# KiCad board amix 68k(r1).kicad_pcb (continued)
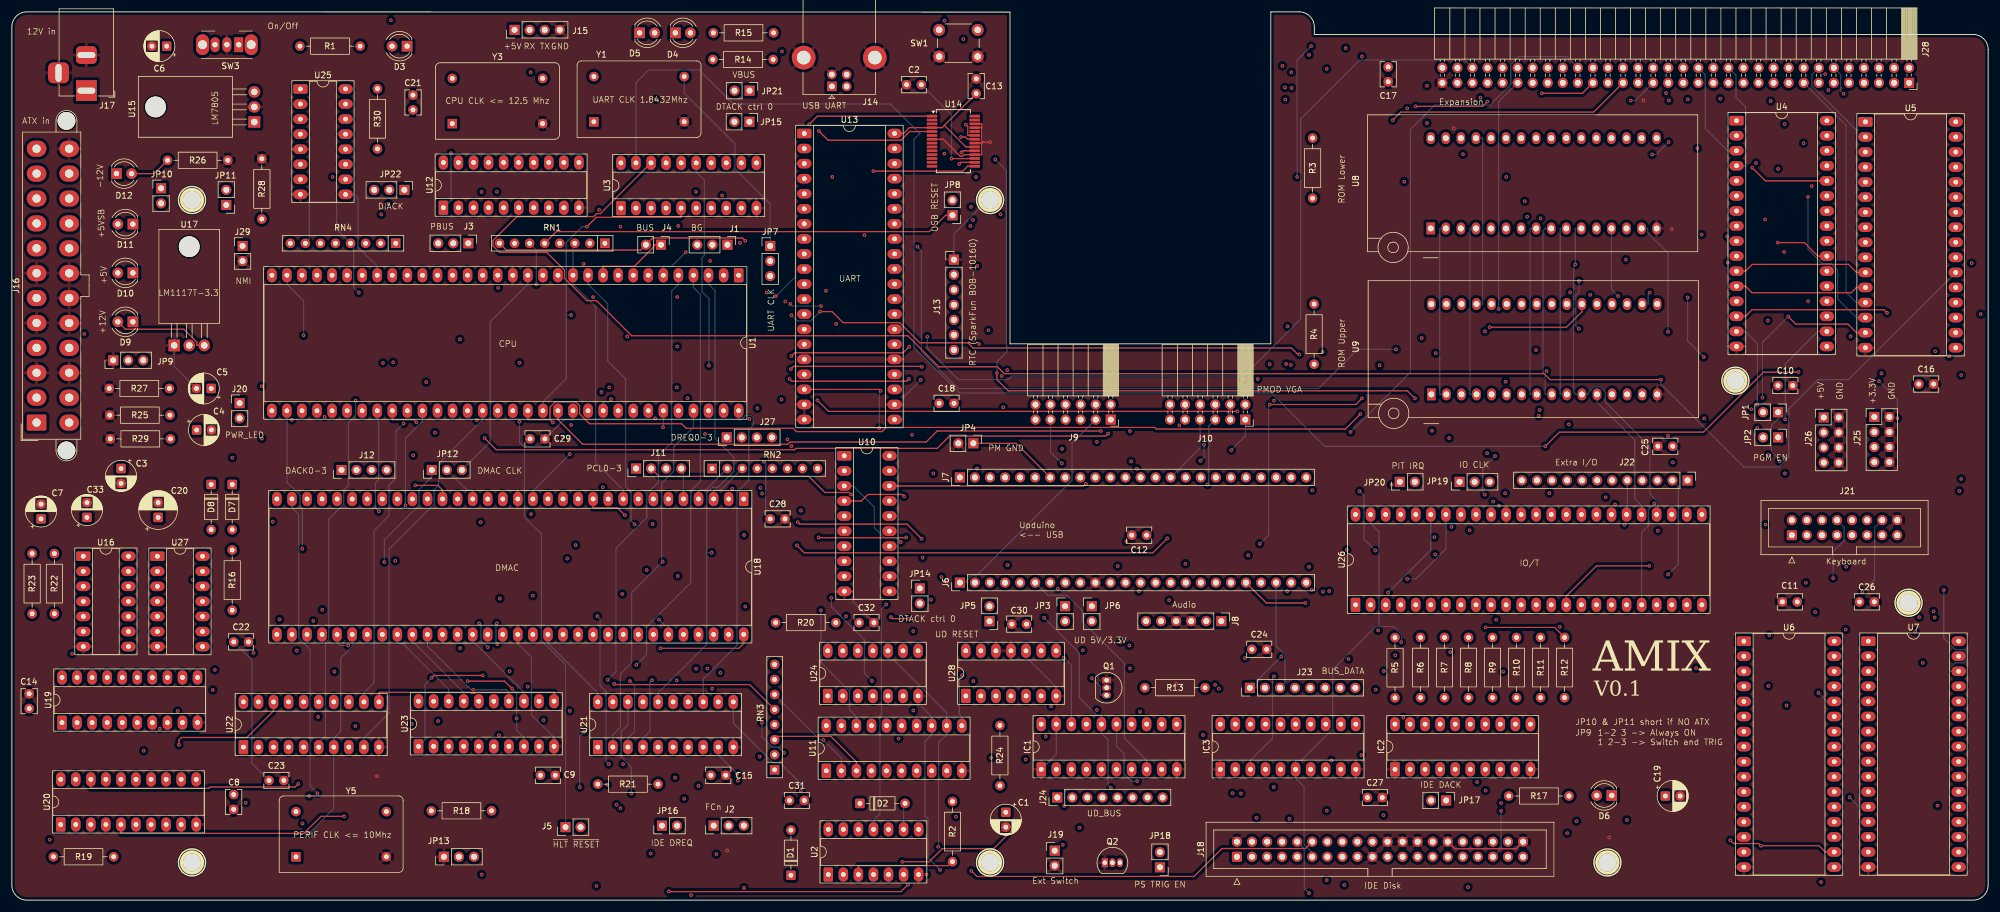
[diagram p0: board, top side]
## Routing (per net, layer and track width the routed paths; a pad name or vN(x,y) marks a point on that pad's centre or on a via; arc(x,y) is an arc through that point) (continued)
GND: length 1882.1
  Top w0.2: 163.59,127.72 163.6,127.72 163.6,130.32 ; 163.59,127.72 U14.21 ; 163.59,127.72 163.6,127.72 ; 163.6,127.72 163.77,127.89 v1(165.01,127.89) ; 163.6,127.72 163.6,125.77 U14.18 160.66,125.77 160.43,125.54 159.93,125.54 157.11,128.37 U14.7 ; 163.6,130.32 163.6,130.97 U14.26 ; 163.6,130.32 163.6,130.32 ; 163.6,130.32 163.6,130.32 ; J18.30 243.41,8.67 253.73,8.67 J18.40 ; 163.6,130.32 U14.25
  In1.Cu w0.2: U8.16 276.94,113.32 275.98,114.28 275.98,134.15 v1(275.22,134.9) ; C33.2 12.55,67.07 10.99,65.52 10.99,59.97 10.09,59.07 10.09,42.78 ; U25.5 48.67,126.35 50.17,124.85 50.17,119.07 U25.8 ; 41.49,132.57 42.26,133.34 42.26,136.87 36.36,142.77 36.27,142.77 SW3.2 ; 41.49,132.57 40.9,132.57 U15.2 ; 41.49,132.57 42,132.57 42.26,132.3 42.26,125.16 R28.2 40.12,123.02 40.12,109.02 J29.2 ; J18.40 256.17,11.11 IC2.10 256.17,23.57 255.03,24.71 255.03,30.72 255.93,31.63 256.98,31.63 259.03,33.67 259.03,34.68 255.92,37.8 255.92,59.7 252.06,63.56 U26.38 ; v1(120.67,8.39) 119.77,9.29 119.77,20.42 C15.2 120.42,23.04 121.7,24.32 U21.10 ; Q1.1 184.67,51.68 J6.10 188.92,59.71 C12.2 ; U13.25 150.41,91.24 150.41,90.89 150.38,90.86 150.03,90.51 150.03,90.36 149.47,89.8 148.05,89.8 147.41,89.16 147.41,85.7 148.05,85.06 149.47,85.06 150.41,84.12 150.41,83.62 U13.22 ; J13.1 158.92,106.91 159.21,106.91 160.89,105.23 160.89,85.79 C18.2 159.65,83.08 JP4.2 ; IC3.1 203.85,12.67 J18.2 ; U5.16 314.17,93.2 314.17,84.06 J25.2 ; IC1.19 176.18,32.93 176.16,32.95 U28.7 ; IC1.10 196.5,23.57 195.38,24.69 195.38,35.46 v1(196.4,36.48) J8.4 ; 61.92,20.93 U22.10 ; 61.92,20.93 v1(61.59,20.93) ; 61.92,20.93 61.92,8.57 Y5.7 ; HOLE5.1 165.01,9.66 C1.2 160.25,19.74 U11.10 ; C25.2 277.55,76.69 U9.16 278.57,85.33 280.01,86.77 v1(280.01,113.22) ; 10.09,42.78 2.92,35.61 C14.2 ; 10.09,42.78 U16.7 ; U28.11 168.54,46.44 C30.2 ; HOLE6.1 269.44,6.65 v1(269.44,10.58) ; 9.67,106.53 J16.19 ; 9.67,106.53 9.67,107.42 9.79,107.42 11.63,109.26 11.63,123.26 9.77,125.12 ; 9.67,106.53 J16.19 ; J16.19 J16.18 J16.17 9.67,95.72 9.55,95.72 7.68,93.85 7.68,92.51 9.57,90.62 9.67,90.62 J16.15 ; C16.2 319,81.9 317.82,81.9 317.45,81.52 J25.2 ; C29.2 85.35,73.25 U18.16 U18.49 ; U1.16 84.5,103.93 87.56,103.93 88.44,104.81 88.44,106.59 91.16,109.31 91.16,112.91 94.21,115.96 94.21,116.88 95.65,118.32 ; C11.2 298.67,10.58 293.67,5.58 U6.16 290.67,5.58 281.42,14.83 C19.2 ; 232.06,17.32 232.06,20.82 IC2.1 ; 232.06,17.32 C27.2 ; 232.06,17.32 J18.22 J18.19 ; J16.24 9.67,125.12 9.77,125.12 ; 9.77,125.12 14.65,130 14.65,140.49 J17.2 9.57,139.57 J17.3 ; C10.2 302.79,86.82 J26.2 J26.4 J26.6 J26.8 ; C23.2 41.01,15.32 C8.2 ; J25.2 J25.4 J25.6 J25.8 316.71,65.44 J21.16 319.95,62.2 HOLE7.1 ; R26.2 36.42,124.15 HOLE1.1 ; C4.2 31.13,81.86 C5.2 ; HOLE2.1 v1(165.01,127.89) 165.01,136.23 C13.2 162.92,138.82 SW1.2 ; HOLE3.1 290.74,91.64 289.43,92.95 289.43,93.41 U4.16 ; U10.10 138.92,52.1 138.92,50.48 136.73,48.29 136.23,48.29 130.42,54.1 C28.2 132.17,66.07 132.17,81.08 U13.20 135.17,81.08 135.17,83.62 U13.19 ; U27.7 26.05,42.78 27.66,41.17 27.66,35.11 31.32,31.45 U19.10 31.32,28.45 29.99,27.12 29.99,15.37 31.1,14.26 U20.10 31.1,7.07 HOLE4.1 ; v1(243.23,130.21) 241.3,132.14 J28.63 ; U23.10 91.46,21.28 C9.2 ; J15.4 92.42,133.89 Y3.7 94.26,126.29 94.26,119.71 95.65,118.32 ; 95.65,118.32 U12.10 ; J14.4 136.43,139.28 J14.5 ; JP9.1 17.09,86.99 R27.2 16.51,86.23 R25.2 16.51,77.9 R29.2 19.53,74.88 19.53,71.43 C3.2
  In2.Cu w0.2: 109.22,114.84 110.42,114.84 111.63,116.05 111.63,117.49 112.4,118.26 125.6,118.26 U3.10 ; 109.22,114.84 109.05,114.67 ; 109.22,114.84 109.05,114.67 ; J18.40 255.64,10.58 v1(269.44,10.58) ; C31.2 131.18,19.31 122.18,19.31 C15.2 ; U12.10 95.65,115.32 96.53,114.44 108.82,114.44 109.05,114.67 ; 166,43.57 168.54,43.57 U28.11 ; 166,43.57 U28.12 ; 166,43.57 164.79,44.78 147.46,44.78 C32.2 ; 279.91,113.32 v1(280.01,113.22) ; 279.91,113.32 v1(280.01,113.22) ; 279.91,113.32 v1(280.01,113.22) ; 279.91,113.32 U8.16 ; 314.17,50.17 C26.2 ; 314.17,50.17 313.2,49.2 299.79,49.2 C11.2 ; 314.17,50.17 HOLE7.1 ; J14.4 141.18,142.14 J14.5 156.24,142.14 SW1.2 SW1.2 ; 226.71,23.57 231.81,23.57 IC2.1 ; 226.71,23.57 IC3.10 ; 226.71,23.57 226.1,24.18 205.96,24.18 IC3.1 202.35,23.57 196.5,23.57 IC1.10 ; U2.7 152.96,5.82 151.66,7.13 118.64,7.13 118.24,7.53 118.24,8.04 118.58,8.39 v1(120.67,8.39) 162.98,8.39 HOLE5.1 165.55,5.82 J19.2 183.05,5.82 183.55,6.32 Q2.1 ; J16.3 J16.15 13.84,88.97 15.94,91.07 JP9.1 ; C8.2 32.16,15.32 31.1,14.26 U20.10 ; v1(275.22,134.9) 274.06,134.9 273.21,134.05 266.63,134.05 266.26,133.68 246.71,133.68 v1(243.23,130.21) ; IC1.1 163.75,22.07 162.5,23.32 160.25,23.32 U11.10 ; U21.10 121.7,24.32 118.4,24.32 115.76,21.68 92.28,21.68 C9.2 90.55,22.18 83.35,22.18 82.1,20.93 v1(61.59,20.93) 46.62,20.93 C23.2 ; 172.52,33.59 173.16,32.95 174.7,32.95 175.06,33.3 175.56,33.3 175.91,32.95 176.16,32.95 U28.7 ; 172.52,33.59 172.52,35.31 173.66,36.45 182.96,36.45 183.62,37.11 Q1.1 195.77,37.11 v1(196.4,36.48) ; 172.52,33.59 171.78,32.85 152.96,32.85 152.87,32.95 U24.7 ; J16.7 J16.19 ; J26.6 309.29,75.24 315.51,75.24 J25.6 ; U16.7 13.55,42.78 14.66,43.89 21.94,43.89 23.05,42.78 U27.7 26.05,42.78 27.19,41.64 37.99,41.64 C22.2 ; SW3.2 36.27,142.77 35.74,142.24 25.45,142.24 C6.2 22.13,142.57 J17.2 ; R27.2 17.53,85.21 30.02,85.21 C5.2 ; C10.2 299.25,87.99 291.09,87.99 HOLE3.1 280.88,87.64 278.57,85.33 U9.16 ; C17.2 241.12,138.07 J28.63 ; U7.16 311.66,5.59 310.51,4.45 294.81,4.45 293.67,5.58 U6.16 290.67,5.58 289.89,6.36 HOLE6.1 ; Y5.7 JP13.1 ; C18.2 157.77,82.67 151.37,82.67 150.41,83.62 U13.22 U13.19 ; 18.42,67.07 C3.2 ; J18.30 241.02,11.06 238.34,11.06 J18.26 J18.24 J18.22 ; C7.2 5.17,67.07 C33.2 C20.2 ; U25.5 43.79,126.69 R28.2 36.67,125.07 R26.2 ; C24.2 210.24,43.75 202.26,43.75 J8.3 J8.4 ; Y1.7 112.3,130.2 90.34,130.2 Y3.7 84.73,135.82 C21.2 67.57,135.72 42.8,135.72 42.15,135.07 40.9,135.07 U15.2 ; C2.1 152.02,138.67 162.57,138.67 C13.2 ; J16.5 J16.17
  Bottom w0.2: IC1.19 176.18,24.61 IC1.1 ; U18.49 85.35,43.32 87.65,41.02 87.65,31.25 91.46,27.44 U23.10 ; U17.1 27.38,90.06 C5.2 ; HOLE2.1 164.62,118.12 158.92,112.41 J13.1 ; C32.2 141.92,50.32 141.92,52.1 U10.10 ; U28.11 168.54,40.57 171.54,40.57 176.16,35.95 U28.7 ; C29.2 93.17,81.07 94.66,81.07 U1.53
/UART + RTC + IDE/~{IDE_LED}: length 19.8
  In1.Cu w0.2: J18.39 259.25,7.32 268.68,16.76 268.68,17.66 D6.1
A0: length 62
  In1.Cu w0.2: U10.15 150.69,62.26 155.06,57.89 v1(155.06,50.69) ; v1(177.45,40.9) 177.45,43.71 176.43,44.73 v1(176.43,52.54)
  In2.Cu w0.2: v1(155.06,50.69) 156.48,52.12 175.54,52.12 175.96,52.54 v1(176.43,52.54)
  Bottom w0.2: v1(177.45,40.9) 178.72,39.63 IC1.18
A1: length 616.6
  Top w0.2: U5.12 311.17,103.36 310.28,102.47 293.53,102.47 292.43,103.57 U4.12
  In1.Cu w0.2: U26.29 274.92,56.84 276.19,55.57 276.19,30.22 290.67,15.74 U6.12 ; 266.88,85.33 266.37,85.33 266.37,102.02 v1(266.27,102.12) 267.29,103.14 U8.12 ; 266.88,85.33 U9.12 266.88,85.33 ; v1(136.5,100.22) 138.12,98.6 138.12,67.54 140.85,64.8 ; J28.2 318.77,139.15 318.77,107.96 314.17,103.36 U5.12 ; 140.85,64.8 141.82,64.8 141.92,64.7 141.92,49.08 v1(140.73,47.88) ; 140.85,64.8 U10.5 ; v1(180.66,42.15) 180.66,31.79 181.26,31.19 IC1.17 181.26,28.19 177.52,24.45 v1(177.52,15.9)
  In2.Cu w0.2: U7.12 310.75,15.75 309.6,16.9 294.83,16.9 293.67,15.74 U6.12 290.67,15.74 289.99,15.06 v1(251.22,15.06) 222.69,15.06 221.84,15.9 v1(177.52,15.9) ; 136.89,47.89 136.89,47.3 140.22,43.97 156.21,43.97 159.89,40.3 177.7,40.3 179.55,42.15 v1(180.66,42.15) ; 136.89,47.89 137.15,48.14 137.63,48.14 137.69,48.08 140.53,48.08 v1(140.73,47.88) ; 136.89,47.89 131.02,47.89 130.48,48.43 127.77,48.43 127.37,48.02 107.37,48.02 105.67,46.32 U18.57 ; U1.29 51.48,103.93 55.02,100.39 131.11,100.39 v1(131.31,100.59) ; v1(136.5,100.22) 146.05,100.22 147.41,98.86 U13.28 ; U4.12 289.43,103.57 289.09,103.9 268.05,103.9 v1(266.27,102.12)
  Bottom w0.2: U9.12 267.39,84.03 273.77,77.65 273.77,67.71 274.92,66.56 U26.29 ; v1(131.31,100.59) 131.68,100.22 v1(136.5,100.22) ; v1(251.22,15.06) 251.22,8.7 J18.35
A2: length 614.4
  Top w0.2: U5.11 311.17,105.9 309.81,107.26 293.58,107.26 292.43,106.11 U4.11 ; v1(148.3,47.74) 148.56,47.49 v1(151.26,47.49)
  In1.Cu w0.2: 145.57,65.71 145.33,65.94 145.33,66.27 144.93,66.68 144.93,93.84 147.41,96.32 U13.27 ; 145.57,65.71 145.73,65.54 ; 145.57,65.71 145.73,65.54 ; 145.73,65.54 145.73,50.63 146.49,49.87 146.49,49.47 147.08,48.89 147.16,48.89 v1(148.3,47.74) ; v1(251.23,16.37) 250.61,15.75 250.61,14.81 251,14.42 251,6.82 250.35,6.16 248.45,6.16 J18.33 ; U6.11 290.67,18.28 278.78,30.16 278.78,62.23 277.46,63.56 U26.28 ; J28.4 316.28,139.2 316.28,108.01 314.17,105.9 U5.11
  In2.Cu w0.2: 205.49,19.09 205.72,19.32 207.02,19.32 207.91,18.44 242.49,18.44 244.57,16.37 v1(251.23,16.37) 251.6,15.99 288.38,15.99 290.67,18.28 U6.11 293.67,18.28 294.78,19.39 310.52,19.39 311.63,18.29 U7.11 ; 205.49,19.09 205.32,18.92 ; 205.49,19.09 205.32,18.92 ; v1(174.14,47.65) 174.11,47.67 168.21,47.67 166.43,45.89 152.85,45.89 v1(151.26,47.49) ; v1(148.3,47.74) 148.1,47.94 141.78,47.94 141.24,48.48 137.85,48.48 137.59,48.74 137.18,48.74 137.18,48.74 136.73,48.29 136.23,48.29 135.69,48.83 127.61,48.83 127.21,48.43 105.99,48.43 103.13,45.57 U18.56 ; v1(263.73,107.25) 288.29,107.25 289.43,106.11 U4.11 ; 205.32,18.92 185.4,18.92 v1(185.4,18.92) ; U1.30 48.94,103.93 52.89,99.98 134.78,99.98 138.44,96.32 U13.27
  Bottom w0.2: v1(174.14,47.65) 180.06,41.72 180.06,34.18 183.05,31.19 183.8,31.19 IC1.16 183.8,28.19 184.9,27.09 184.9,19.42 v1(185.4,18.92) ; U26.28 277.69,65.29 277.69,67.17 276.31,68.54 276.31,76.54 268.81,84.03 268.81,85.7 267.89,86.63 266.91,86.63 265.87,85.59 265.87,85.33 264.34,85.33 ; U8.11 263.73,113.32 263.73,107.25 v1(263.73,107.25) 263.47,106.99 263.47,102.29 263.43,102.24 263.43,85.73 263.83,85.33 264.34,85.33 ; 264.34,85.33 U9.11
A3: length 634.8
  In1.Cu w0.2: v1(187.02,43.55) 187.02,31.87 186.34,31.19 IC1.15 ; U18.55 100.59,46.32 101.88,47.61 101.88,78.63 103.46,80.21 103.46,94.74 v1(103.82,95.1) ; J28.6 313.79,139.26 313.79,134.32 315.03,133.09 315.03,110.58 312.88,108.44 U5.10 ; v1(289.36,111.97) 283.99,106.61 283.99,70.02 280.54,66.56 280,66.56 U26.27 280,63.56 281.27,62.29 281.27,30.22 290.67,20.82 U6.10 ; v1(152.05,45.38) 148.14,49.29 147.24,49.29 146.89,49.64 146.89,50.04 146.13,50.79 146.13,65.71 145.73,66.11 145.73,66.44 145.33,66.84 145.33,91.7 147.41,93.78 U13.26 ; J18.36 249.84,17.25 v1(248.6,18.49)
  In2.Cu w0.2: v1(187.02,43.55) 185.19,45.38 v1(152.05,45.38) ; U8.10 263.23,113.32 263.23,113.06 264.61,111.68 289.07,111.68 v1(289.36,111.97) ; U5.10 311.17,108.44 310.27,107.54 293.54,107.54 292.43,108.65 U4.10 ; U7.10 311.66,20.83 310.56,21.92 294.78,21.92 293.67,20.82 U6.10 290.67,20.82 289.06,19.21 249.32,19.21 v1(248.6,18.49) 248.2,18.89 214.5,18.89 213.26,20.13 205.39,20.13 205.33,20.06 v1(189.83,20.06) ; U13.26 147.41,93.78 146.09,95.1 v1(103.82,95.1) 103.65,95.28 v1(49.21,95.28)
  Bottom w0.2: v1(289.36,111.97) 289.43,111.91 289.43,108.65 U4.10 ; IC1.15 186.34,26 187.61,24.73 187.61,21.33 188.87,20.06 v1(189.83,20.06) ; v1(49.21,95.28) 49.21,101.12 46.4,103.93 U1.31 ; U8.10 261.19,113.32 261.19,85.43 261.29,85.33 U9.10
A4: length 561
  In1.Cu w0.2: U4.9 289.43,111.19 284.4,106.16 284.4,68.98 282.54,67.13 U26.26 282.54,63.56 283.81,62.29 283.81,39.43 v1(284.1,39.13) 284.1,29.93 290.67,23.36 U6.9 ; IC1.14 188.88,38.84 v1(188.62,39.1) 188.62,42.85 v1(188.51,42.96) ; v1(45.15,47.36) 42.78,49.74 42.78,78.12 42.75,78.15 42.75,102.82 43.86,103.93 U1.32 ; U5.9 314.17,110.98 314.22,111.03 314.22,132.56 311.25,135.52 311.25,139.25 J28.8
  In2.Cu w0.2: 179.62,40.96 179.78,41.12 ; 179.62,40.96 179.78,41.12 ; 179.62,40.96 179.38,40.72 178.69,40.72 177.86,39.89 159.53,39.89 155.85,43.57 134.54,43.57 130.19,47.92 128.04,47.92 127.43,47.31 111.25,47.31 109.48,45.54 109.48,44.11 108.69,43.32 98.05,43.32 ; 179.78,41.12 186.68,41.12 v1(188.51,42.96) ; v1(45.15,47.36) 50.25,47.36 50.61,47.72 94.57,47.72 96.61,45.68 96.61,44.26 97.55,43.32 98.05,43.32 ; U6.9 304.49,23.36 305.6,24.46 308.59,24.46 309.68,23.37 U7.9 ; v1(188.62,39.1) 188.67,39.04 208.76,39.04 208.96,39.25 212.73,39.25 213.09,38.9 220.91,38.9 221.26,39.25 283.98,39.25 v1(284.1,39.13) ; U8.9 260.69,113.32 260.69,113.06 262.56,111.19 U4.9 292.43,111.19 293.57,110.05 310.24,110.05 311.17,110.98 U5.9 ; U18.54 98.05,43.32
  Bottom w0.2: U8.9 258.65,113.32 258.28,112.95 258.28,89 258.65,88.64 258.65,85.43 258.75,85.33 U9.9
A5: length 514.7
  In1.Cu w0.2: v1(95.1,59.9) 95.51,59.49 U18.53 ; J28.10 308.69,139.23 308.69,136.59 308.39,136.3 308.39,133.84 310.3,131.93 310.3,114.39 311.17,113.52 U5.8 ; U4.8 292.43,113.73 293.1,113.06 293.1,86.67 287.69,81.26 v1(285.47,81.26) 285.47,66.96 285.08,66.56 U26.25 285.08,63.56 286.8,61.84 286.8,29.77 290.67,25.9 U6.8 ; 256.72,85.33 U9.8 256.72,85.33 ; 256.72,85.33 256.21,85.33 256.01,85.13 256.01,64.48 255.08,63.55 254.14,63.55 253.29,64.4 253.29,67.24 v1(251.89,68.64) ; v1(44.01,63.85) 43.58,64.28 43.58,80.79 43.86,81.07 U1.33
  In2.Cu w0.2: U9.8 256.21,85.33 256.21,84.62 256.43,84.39 256.52,84.39 256.59,84.47 256.93,84.47 257.28,84.12 257.36,84.12 259.8,81.68 285.06,81.68 v1(285.47,81.26) ; U5.8 311.17,113.52 310.22,112.57 293.59,112.57 292.43,113.73 U4.8 ; U6.8 293.67,25.9 294.82,27.05 308.79,27.05 309.94,25.91 U7.8 ; 187.29,63.53 138.24,63.53 136.5,61.79 125.86,61.79 125.63,61.56 ; 187.29,63.53 187.45,63.7 ; 187.29,63.53 187.45,63.7 ; 106.87,60.07 106.7,59.9 ; 106.87,60.07 106.7,59.9 ; 106.87,60.07 107.79,60.99 125.06,60.99 125.46,61.39 ; 106.7,59.9 v1(95.1,59.9) 47.96,59.9 v1(44.01,63.85) ; 187.45,63.7 222.56,63.7 226.68,67.82 248.72,67.82 249.54,68.64 v1(251.89,68.64) ; 125.63,61.56 125.46,61.39 ; 125.63,61.56 125.46,61.39
  Bottom w0.2: 256.72,85.33 U9.8 256.72,85.33 ; 256.72,85.33 256.21,85.33 256.11,85.43 256.11,113.32 U8.8
A6: length 497.5
  Top w0.2: v1(136.09,61.19) 136.15,61.14 150.81,61.14 v1(150.86,61.19)
  In1.Cu w0.2: v1(249.88,67.24) 250.22,67.58 250.22,67.88 253.29,70.95 253.29,82.35 253.68,82.74 253.68,85.33 ; v1(93.69,57.63) 93.69,47.04 92.97,46.32 U18.52 ; 254.19,85.33 U9.7 254.19,85.33 ; 254.19,85.33 253.68,85.33 ; U5.7 311.17,116.06 310.79,116.44 310.79,134.25 v1(308.99,136.05) ; U6.7 290.67,28.44 289.36,29.75 289.36,82.32 293.5,86.46 293.5,113.41 292.43,114.47 292.43,116.27 U4.7 ; 253.68,85.33 253.67,85.33 253.57,85.42 253.57,113.26 253.57,113.26 253.57,113.32 U8.7
  In2.Cu w0.2: U6.7 293.67,28.44 294.78,29.55 309.77,29.55 310.88,28.45 U7.7 ; v1(49,59.27) 92.05,59.27 v1(93.69,57.63) 105.21,57.63 108.02,60.45 135.35,60.45 v1(136.09,61.19) ; v1(150.86,61.19) 152.4,62.73 228.99,62.73 230.38,64.12 230.38,65.77 231.62,67.01 249.65,67.01 v1(249.88,67.24) ; U8.7 255.61,113.32 255.61,113.62 258.26,116.27 U4.7 292.43,116.27 293.26,115.44 296,115.44 296.31,115.13 310.24,115.13 311.17,116.06 U5.7
  Bottom w0.2: v1(308.99,136.05) 308.5,136.55 308.5,139.27 J28.12 ; U1.34 46.4,70.49 48.62,68.27 48.62,66.38 49,66 v1(49,59.27)
A7: length 546
  In1.Cu w0.2: v1(190.3,31.78) 189.97,32.11 189.97,51.97 v1(190.12,52.12) ; U6.6 290.67,30.98 289.77,31.88 289.77,81.92 293.9,86.04 293.9,113.57 293.54,113.93 293.54,114.07 293.5,114.12 293.5,115.77 292.43,116.84 292.43,118.81 U4.6 ; U18.50 87.89,46.32 87.88,46.33 v1(87.88,51.37) ; U9.6 253.17,85.33 253.17,112.2 253.07,112.3 253.07,113.32 U8.6 ; v1(50.86,47.12) 49.6,48.38 49.6,65.91 48.69,66.82 48.69,80.82 48.94,81.07 U1.35
  In2.Cu w0.2: U8.6 253.07,113.32 253.07,113.62 258.26,118.81 U4.6 292.43,118.81 293.57,117.67 310.24,117.67 311.17,118.6 U5.6 ; v1(50.86,47.12) 51.66,46.32 78.35,46.32 78.58,46.1 79.08,46.1 79.3,46.32 81.33,46.32 81.56,46.1 82.05,46.1 82.28,46.32 87.89,46.32 U18.50 ; v1(87.88,51.37) 88.86,50.39 137.88,50.39 138.58,49.69 145.92,49.69 146.46,49.14 150.52,49.14 150.76,48.9 153.68,48.9 154.87,50.09 155.44,50.09 157.06,51.72 175.91,51.72 176.14,51.95 ; 176.14,51.95 176.15,51.96 ; 176.14,51.95 176.15,51.96 ; 176.15,51.96 176.18,51.94 189.94,51.94 v1(190.12,52.12) ; U7.6 311.66,30.99 310.56,32.09 294.78,32.09 293.67,30.98 U6.6 290.67,30.98 289.87,31.78 v1(190.3,31.78)
  Bottom w0.2: J28.14 303.65,139.27 303.65,137.41 311.17,129.89 311.17,118.6 U5.6
A8: length 510.5
  In1.Cu w0.2: U4.5 292.43,121.35 292.43,119.85 293.9,118.38 293.9,115.94 293.9,115.94 293.9,114.28 293.95,114.24 293.95,114.09 294.3,113.74 294.3,85.88 293.5,85.07 293.5,84.84 290.17,81.51 290.17,35.99 290.57,35.59 290.57,33.61 290.67,33.52 U6.5 ; U1.36 51.48,84.07 54.49,84.07 55.17,83.39 ; v1(62.6,90.64) 55.36,83.39 55.17,83.39 ; 55.17,83.39 55.17,74.83 54.41,74.06 54.41,71.03 56.14,69.3 56.14,64.59 66.36,54.37 66.36,25.85 67.78,24.43 71.13,24.43 71.14,24.44 U23.2 ; U8.5 248.49,113.32 v1(248.49,95.95) 248.49,87.75 249.61,86.63 U9.5 ; J28.16 303.46,139.23 303.46,137.19 301.64,135.37 301.64,122.42 v1(303.61,120.45)
  In2.Cu w0.2: v1(62.6,90.64) 64.62,92.65 149.75,92.65 151.07,93.97 161.01,93.97 163.55,91.44 169.25,91.44 169.25,91.45 172.67,91.45 172.67,91.44 203.31,91.44 203.58,91.71 211.17,91.71 211.32,91.87 214.65,91.87 218.01,95.23 218.08,95.23 218.8,95.95 v1(248.49,95.95) ; U7.5 311.66,33.53 310.56,34.63 305.26,34.63 304.15,33.52 U6.5 ; U8.5 250.53,113.32 250.53,114.09 257.79,121.35 U4.5 292.43,121.35 293.33,120.45 v1(303.61,120.45) 303.87,120.19 310.22,120.19 311.17,121.14 U5.5
A9: length 548.6
  In1.Cu w0.2: U4.27 304.39,118.81 300.99,122.21 300.99,139.15 J28.18 ; 331.82,110.75 331.71,110.86 ; 331.82,110.75 332.16,110.41 332.16,106.72 331.52,106.07 331.52,98.46 331.96,98.02 331.96,88.61 331.96,88.61 331.96,88.59 330.92,87.55 330.92,72.84 331.65,72.1 331.65,47.91 330.92,47.17 330.92,32.01 329.9,30.99 U7.27 ; 331.82,110.75 331.71,110.86 ; 331.71,110.86 331.71,116.3 329.41,118.6 U5.27 ; v1(251.98,87.47) 251.98,99.1 252.15,99.27 U9.27 251.17,100.57 251.13,100.61 251.13,101.59 251.03,101.69 251.03,117.91 ; v1(57.95,29.37) 57.95,38.69 53.76,42.88 53.76,80.81 54.02,81.07 U1.37 ; 251.03,117.91 v1(255.2,117.91) ; 251.03,117.91 251.03,128.56 U8.27
  In2.Cu w0.2: 114.19,78.26 114.21,78.27 ; 114.19,78.26 113.8,78.65 92.35,78.65 90.83,80.17 86.24,80.17 86.21,80.13 85.77,80.13 85.54,79.89 ; 114.19,78.26 114.21,78.27 ; 114.21,78.27 115.96,80.02 132.2,80.02 132.88,79.35 145.8,79.35 146.09,79.06 150.13,79.06 150.42,79.35 ; 224.57,86.52 224.65,86.6 ; 224.57,86.52 224.65,86.6 ; 224.57,86.52 224.53,86.56 224.53,86.56 224.25,86.83 213.04,86.83 ; 224.65,86.6 225.07,86.6 225.9,87.44 ; 79.66,79.71 79.83,79.88 ; 79.66,79.71 79.83,79.88 ; 79.66,79.71 79.49,79.54 55.55,79.54 54.02,81.07 U1.37 ; 79.83,79.88 79.83,79.88 85.52,79.88 ; 85.54,79.89 85.52,79.88 ; 85.54,79.89 85.52,79.88 ; 184.68,86.93 184.68,86.93 ; 184.68,86.93 171.93,86.93 165.6,80.6 151.67,80.6 150.58,79.51 ; 184.68,86.93 184.68,86.93 ; 184.68,86.93 184.95,86.66 212.87,86.66 ; U5.27 326.41,118.6 325.27,119.74 308.6,119.74 307.67,118.81 U4.27 304.67,118.81 304.21,119.27 292.54,119.27 291.89,119.92 257.22,119.92 v1(255.2,117.91) ; 150.42,79.35 150.58,79.51 ; 150.42,79.35 150.58,79.51 ; 225.93,87.47 v1(251.98,87.47) ; 225.93,87.47 225.9,87.44 ; 225.93,87.47 225.9,87.44 ; 212.87,86.66 213.04,86.83 ; 212.87,86.66 213.04,86.83 ; U6.27 308.94,30.98 310.05,29.88 325.79,29.88 326.9,30.99 U7.27 ; v1(57.95,29.37) 58.77,28.54 77.66,28.54 78.76,27.44 U23.5
A10: length 560.1
  Top w0.2: v1(194.91,61.04) 192.47,58.59 133.69,58.59 v1(132.44,59.84)
  In1.Cu w0.2: v1(67.46,29.74) 67.46,36.25 68.7,37.49 68.7,52.8 64.75,56.75 ; v1(239.97,61.22) 240.47,61.73 240.47,91.99 v1(240.18,92.28) ; U8.26 255.61,128.56 255.8,128.37 255.8,115.49 v1(255.61,115.3) 255.61,101.37 255.71,101.27 255.71,100.57 ; v1(64.68,57.25) 64.68,56.82 64.75,56.75 ; 255.71,100.57 255.2,100.57 ; 255.71,100.57 255.71,94.17 v1(257.09,92.79) ; 255.2,100.57 U9.26 255.2,100.57 ; 64.75,56.75 63.76,57.74 63.76,68.54 62.53,69.78 61.85,69.78 59.54,72.09 59.54,78.09 56.56,81.07 U1.38 ; U5.26 330.87,113.1 330.87,108.04 331.36,107.55 331.36,107.05 330.72,106.41 330.72,98.13 330.96,97.89 331.16,97.69 331.16,88.92 329.92,87.69 329.92,72.7 330.85,71.77 330.85,48.24 329.92,47.31 329.92,47.31 326.9,44.28 326.9,28.45 U7.26 ; J28.20 298.55,139.06 298.55,133.36 300.09,131.83 300.09,120.69 304.5,116.27 U4.26
  In2.Cu w0.2: U7.26 326.9,28.45 325.79,27.34 310.01,27.34 308.91,28.44 U6.26 ; v1(132.44,59.84) 109.12,59.84 106.29,57.01 64.92,57.01 v1(64.68,57.25) ; v1(257.09,92.79) 240.69,92.79 v1(240.18,92.28) ; U23.6 81.3,27.44 81.06,27.44 78.93,29.58 67.62,29.58 v1(67.46,29.74) ; v1(255.61,115.3) 257.68,117.37 292.49,117.37 293.59,116.27 U4.26 307.67,116.27 308.6,117.2 325.27,117.2 326.41,116.06 U5.26 ; v1(239.97,61.22) 195.1,61.22 v1(194.91,61.04)
A11: length 548
  Top w0.2: U4.23 304.67,108.65 302.39,110.93 v1(297.87,110.93) ; v1(135.89,84.33) 137.76,82.46 v1(206.73,82.46)
  In1.Cu w0.2: v1(133.1,65.73) 134.64,67.27 134.64,79.81 135.89,81.06 v1(135.89,84.33) ; v1(81.81,46.7) 79.07,49.43 v1(79.07,63.76) 79.07,80.33 v1(78.44,80.96) ; U8.23 263.23,128.56 263.23,116.07 261.19,114.02 261.19,112.62 262.27,111.54 262.27,101.91 262.31,101.87 U9.23 262.31,91.98 261.04,90.71 261.04,84.79 257.96,81.71 v1(257.57,81.71) ; v1(81.9,43.21) 81.9,39.81 83.7,38.01 83.94,38.01 87.65,34.3 87.65,28.71 88.92,27.44 U23.9 ; v1(330.59,107.47) 330.59,107.13 330.32,106.86 330.32,97.96 330.76,97.52 330.76,89.09 329.47,87.8 329.47,72.59 330.45,71.61 330.45,48.41 329.17,47.13 326.45,44.4 326.45,28.33 326.61,28.17 326.73,28.05 326.85,27.93 327.43,27.35 328.93,27.35 329.9,26.37 329.9,20.83 U7.23 ; v1(297.87,110.93) 296.76,112.04 296.76,134.75 v1(296.68,134.82) 295.91,135.59 295.91,139.15 J28.22
  In2.Cu w0.2: v1(79.07,63.76) 88.89,63.76 90.86,65.73 v1(133.1,65.73) ; v1(296.68,134.82) 289.19,134.82 288.59,134.22 283.83,134.22 283.29,133.68 281.19,133.68 281.06,133.82 276.13,133.82 275.81,133.5 275.53,133.5 274.99,132.96 274.02,132.96 273.76,132.7 267.11,132.7 263.23,128.82 263.23,128.56 U8.23 ; U7.23 326.9,20.83 325.79,19.72 310.8,19.72 309.69,20.82 U6.23 ; v1(257.57,81.71) 257.48,81.63 227.96,81.63 227.74,81.41 220.88,81.41 219.83,82.46 v1(206.73,82.46) ; v1(330.59,107.47) 329.62,108.44 U5.23 326.41,108.44 325.27,109.58 308.6,109.58 307.67,108.65 U4.23 ; v1(78.44,80.96) 68.74,80.96 68.5,81.21 68,81.21 67.75,80.96 66.39,80.96 66.29,81.07 59.1,81.07 U1.39
  Bottom w0.2: v1(81.9,43.21) 81.69,43.42 81.69,46.58 v1(81.81,46.7)
A12: length 552.7
  In1.Cu w0.2: 326.68,27.15 326.85,26.98 ; 326.68,27.15 326.85,26.98 ; 326.68,27.15 326.45,27.38 326.45,27.77 326.04,28.17 326.04,44.57 330.05,48.57 330.05,71.44 329.07,72.42 329.07,87.97 330.36,89.26 330.36,97.36 329.92,97.79 329.92,113.01 329.41,113.52 U5.25 ; 326.85,26.98 326.85,25.96 326.9,25.91 U7.25 ; U9.25 257.23,101.87 256.11,102.99 256.11,114.05 257.47,115.41 ; v1(87.57,65.12) 89.04,63.65 89.04,35.18 88.92,35.06 U23.12 88.92,31.12 v1(89.67,30.36) ; v1(295.75,114.84) 295.75,128.39 293.26,130.89 293.26,139.27 J28.24 ; 257.47,115.41 v1(257.88,115.01) ; 257.47,115.41 257.98,115.93 257.98,128.56 U8.25
  In2.Cu w0.2: 147.55,21.39 145.17,23.76 144.88,23.76 144.73,23.61 143.48,24.86 v1(130.26,24.86) ; 147.55,21.39 U11.5 ; 147.55,21.39 147.55,20.32 147.95,19.92 162.69,19.92 163.23,20.47 189.38,20.47 189.58,20.67 190.08,20.67 190.28,20.47 205.16,20.47 205.22,20.53 221.67,20.53 222.9,19.29 248.78,19.29 249.11,19.61 260.4,19.61 265.47,24.69 304.69,24.69 305.91,25.9 U6.25 308.91,25.9 310.04,24.77 325.76,24.77 326.9,25.91 U7.25 ; v1(89.67,30.36) 90.11,29.92 v1(126.52,29.92) ; v1(257.88,115.01) 258.04,114.84 v1(295.75,114.84) 296.87,113.73 U4.25 307.67,113.73 308.6,114.66 325.27,114.66 326.41,113.52 U5.25 ; v1(61.89,65.6) 62.37,65.12 v1(87.57,65.12)
  Bottom w0.2: U1.40 61.64,81.07 61.88,80.83 61.88,70.94 61.34,70.41 61.34,66.15 v1(61.89,65.6) ; v1(126.52,29.92) 126.52,27.61 128.33,25.8 129.31,25.8 v1(130.26,24.86)
A13: length 526.2
  Top w0.2: U1.41 64.18,81.07 67.79,81.07 v1(68.25,80.61)
  In1.Cu w0.2: v1(78.83,46.7) 77.03,48.5 77.03,56.56 73.92,59.67 73.92,69.87 72.05,71.74 72.05,76.8 v1(68.25,80.61) ; v1(80.27,42.67) 80.84,42.1 80.84,35.52 81.3,35.06 U23.15 81.3,28.67 v1(82.16,27.81) ; U4.4 290.93,123.58 293.9,120.61 293.9,119.17 294.3,118.77 294.3,116.11 294.3,114.45 294.35,114.41 294.35,114.26 294.7,113.91 294.7,85.71 293.9,84.91 293.9,84.57 290.61,81.28 290.61,36.12 290.67,36.06 U6.4 ; v1(227.66,24.47) 230.06,26.87 v1(230.06,35.51)
  In2.Cu w0.2: U5.4 311.17,123.68 310.23,122.74 293.49,122.74 292.43,123.8 292.43,123.89 U4.4 258.35,123.89 247.99,113.53 247.99,113.32 U8.4 ; 150.09,22.25 152.02,20.32 155.67,20.32 156.48,21.13 156.48,22.64 158.61,24.77 211.12,24.77 211.25,24.63 227.49,24.63 v1(227.66,24.47) ; 150.09,22.25 U11.6 ; 150.09,22.25 150.09,23.32 147.67,25.74 124.3,25.74 122.23,27.81 v1(82.16,27.81) ; v1(230.06,35.51) 230.61,36.06 U6.4 293.67,36.06 294.78,37.16 310.54,37.16 311.63,36.07 U7.4
  Bottom w0.2: J28.26 290.83,139.15 290.83,135.44 292.44,133.83 292.44,123.9 292.43,123.89 U4.4 ; U8.4 245.95,113.32 245.95,85.43 246.05,85.33 U9.4 ; v1(80.27,42.67) 79.14,43.8 79.14,46.39 v1(78.83,46.7)
A14: length 548.6
  Top w0.2: v1(293.57,123.58) 295.8,121.35 U4.28
  In1.Cu w0.2: v1(174.4,27.62) 174.77,27.99 174.77,32.16 v1(175.31,32.7) ; 331.42,110.59 331.29,110.71 ; 331.42,110.59 331.66,110.35 331.66,107.82 331.76,107.71 331.76,107.38 331.76,107.38 331.76,106.88 331.12,106.24 331.12,98.29 331.36,98.05 331.56,97.85 331.56,88.76 330.42,87.62 330.42,72.77 331.25,71.94 331.25,48.07 330.42,47.24 330.42,34.05 329.9,33.53 U7.28 ; 331.42,110.59 331.29,110.71 ; 331.29,110.71 331.29,114.69 328.65,117.33 327.22,117.33 326.41,118.14 326.41,121.14 U5.28 ; v1(293.57,123.58) 293.57,128.32 291.81,130.08 290.02,130.08 288.2,131.9 v1(288.2,135.22) 288.2,139.25 J28.28 ; 250.01,100.57 U9.28 250.01,100.57 ; 250.01,100.57 250.63,100.57 250.63,101.27 250.53,101.37 250.53,128.56 U8.28 ; U1.42 66.72,74.26 71.21,69.77 71.21,60.1 76.29,55.02 76.29,43.27 78.76,40.8 U23.16 ; U11.7 152.63,23.32 149.58,26.37 v1(149.58,27.27)